# Altium PCB Dahlia Carrier Board.PcbDoc (part 4 of 10)
Units mm, origin at the board's own origin, x right, y up, seen from the top; angles counter-clockwise.
Board outline 120 x 120 mm, 6 copper layers (Top Layer, GND, Layer 1, Layer 2, GND2, Bottom Layer), stack 1.558 mm thick; 879 components, 677 nets, 3194 pads, 1445 vias.
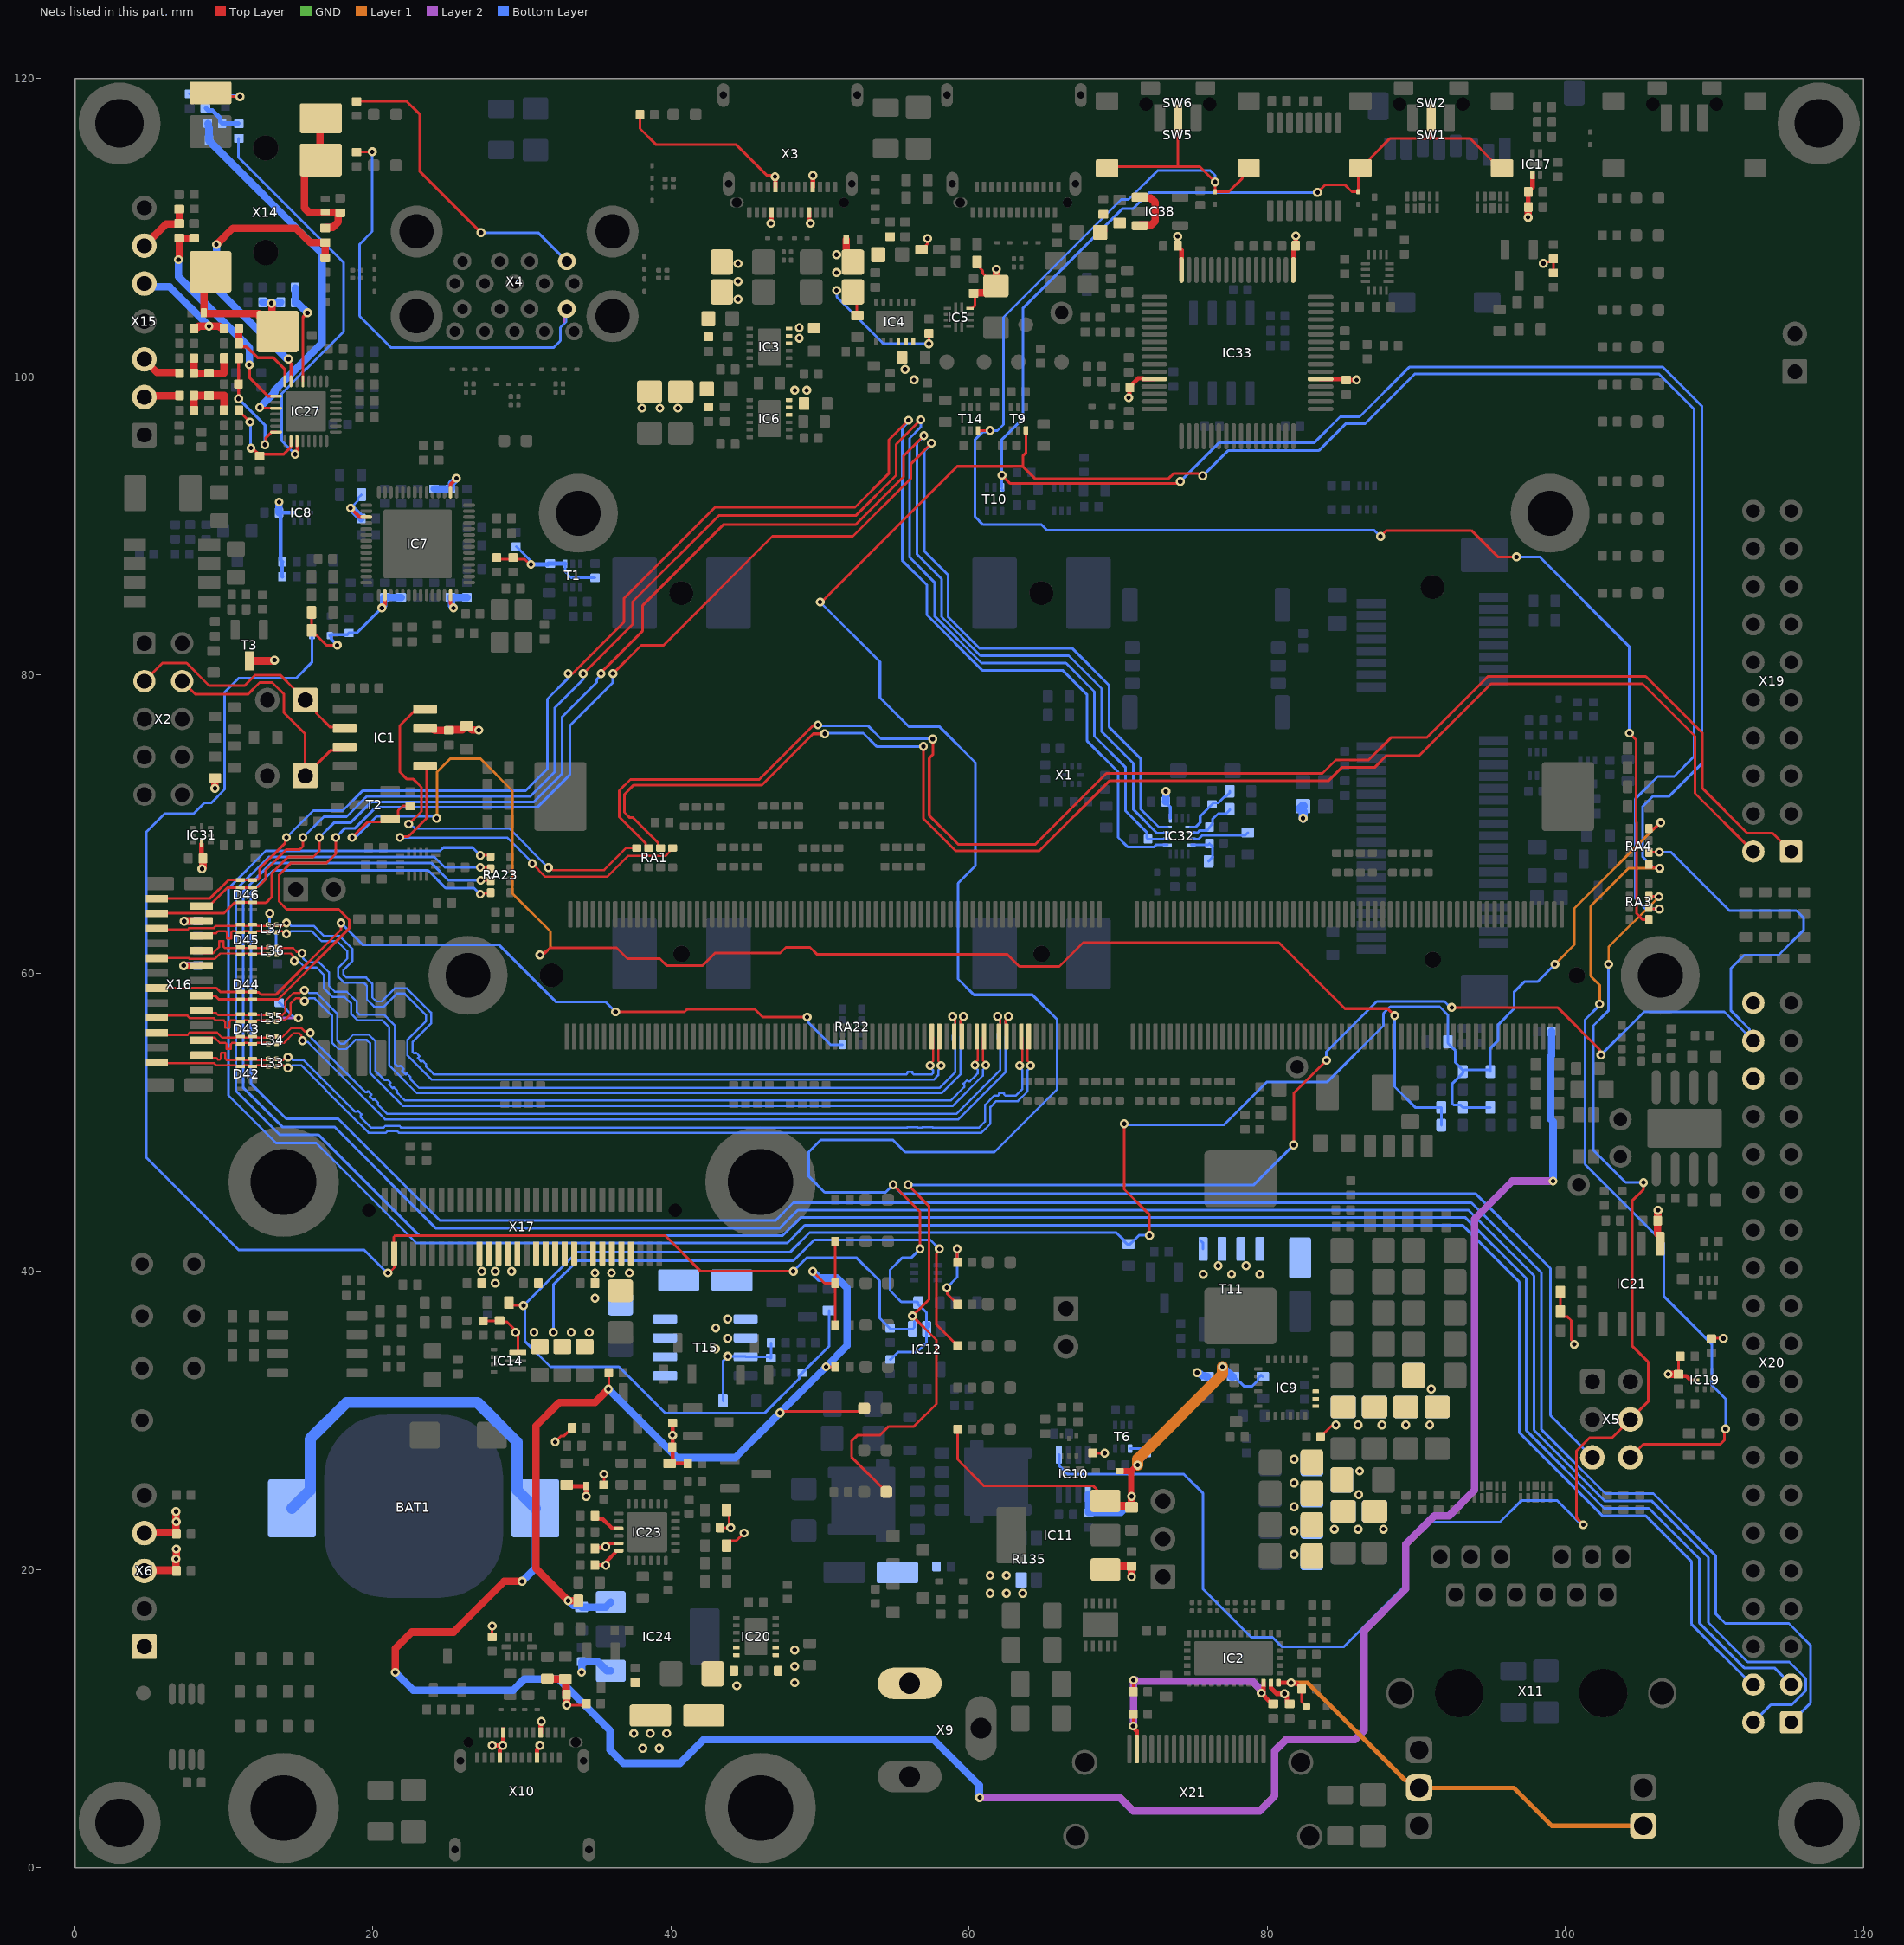
[diagram p8: the nets of this part, all layers, seen from the top]

## Via types
v1: diameter 0.6, hole 0.3, Top Layer to Bottom Layer, tented both sides, 1316 vias
v2: diameter 0.6/0/0/0/0/0.6 (per signal layer), hole 0.3, Top Layer to Bottom Layer, tented both sides, 70 vias
v3: diameter 0.6, hole 0.3, Top Layer to Bottom Layer, 58 vias
v4: diameter 0.6/0.6/0.6/0.6/0.6/0.6 (per signal layer), hole 0.3, Top Layer to Bottom Layer, tented both sides, 1 vias

## Nets (pads, with @x,y where several pads share a name; then routed paths per layer and width w, separated by ;. In a path a pad name is that pad's centre, name@x,y a point inside that pad or via, vN(x,y) a via of type N, cw(c..) or ccw(c..) an arc to the next point about the centre after c; other vN are vias at no path point) (continued)
+V3.3_SW: C9.2 C96.2 C97.2 C106.2 C116.2 C189.2 C191.2 C194.2 C226.2 C235.2 D22.A IC2.30 IC17.3 IC19.8 IC21.5 IC31.8 IC32.13 L3.2 L18.2 R66.2 R141.2 R142.2 R149.2 R153.2 R191.1 R192.1 R272.2 R273.2 R352.1 T11.5 T11.6 T11.7 T11.8 X6.4 X11.14 X11.16 X16.15 X17.31 X17.33 X17.35 X17.37 X17.39 X20.36 | length 67.7
  Top Layer w0.175: X16.15@8.5,60.5 X16.15@8.573,60.573 ; v1(58.5,38.9) 58.533,38.867 58.533,38.487 58.998,38.022 59.023,38.022 59.22,37.825 R191.1@59.22,37.8 ; v1(59.2,41.5) 59.2,40.62 R192.1@59.22,40.6 ; C9.2@82.31,12 82.31,11.13 82.487,10.953 82.487,10.913 82.6,10.8 D22.A@82.64,10.8 ; v1(98.525,107.613) 98.562,107.613 98.672,107.723 99.002,107.723 R66.2@99.2,107.92 R352.1@99.2,106.98 ; R149.2@99.675,38.6 R153.2@99.675,37.3 99.675,37.214 99.912,36.977 100.123,36.977 100.4,36.7 100.4,35.4 100.6,35.2 v1(100.6,35.1) ; C106.2@107.6,33.1 107.6,34.18 R141.2@107.72,34.3 ; R142.2@109.8,35.48 109.82,35.5 110.35,35.5 110.519,35.669 110.519,35.581 v1(110.6,35.5)
  Top Layer w0.25: C106.2@107.6,33.09 107.72,32.97 108.13,32.97 108.4,32.7 IC19.8@108.77,32.7
  Top Layer w0.3: IC31.8@8.5,68.675 8.495,68.67 8.495,67.795 C189.2@8.59,67.7 C189.2@8.592,67.698 ; IC2.30@80.775,12.4 v1(81.6,12.4) 81.657,12.343 82.007,12.343 82.31,12.04 C9.2@82.31,12 ; v1(97.5,110.7) v1@97.51,110.71 ; C96.2@97.51,111.4 C97.2@97.51,112.4 97.51,112.44 97.8,112.73 IC17.3@97.8,113.55
  Top Layer w0.5: X6.4@4.66,22.44 4.717,22.497 6.753,22.497 C226.2@6.77,22.48 ; C226.2@6.762,22.497 6.785,22.52 v1(6.785,23.883) ; v1@7.452,60.5 X16.15@8.5,60.5 ; v1(8.525,67) 8.595,67.07 8.595,67.695 C189.2@8.592,67.698 ; v1@97.51,110.71 C96.2@97.51,111.4 ; v1(106.215,44.099) 106.202,44.087 106.202,43.412 C116.2@106.19,43.4 106.19,42.515 106.355,42.35 IC21.5@106.355,41.85 ; v1(106.899,33.099) 106.903,33.094 107.596,33.094 C106.2@107.6,33.09
  Layer 2 w0.175: 13.7,56.9 13.8,57 v1(15,57)
  Layer 1 w0.3: v1(81.6,12.4) 82.7,12.4 89.238,5.862 89.761,5.862 90.277,5.346 96.554,5.346 99.094,2.806 X11.14@105.23,2.806 X11.14@105.314,2.806
  Bottom Layer w0.175: v1(13.075,64) 13.075,63 13.5,62.575 13.5,61.68 R273.2@13.6,61.58 ; R272.2@13.7,58.02 13.725,58.02 14.745,57 v1(15,57) ; v1(58.5,38.9) 59.2,39.6 v1(59.2,41.5) ; T11.5@75.482,42.1 75.695,41.888 T11.5@75.695,41.5
  Bottom Layer w0.2: C191.2@73.38,71.27 73.383,71.27 73.5,71.153 IC32.13@73.5,70.4
  Bottom Layer w0.5: v1(7.3,60.5) 7.317,60.517 8.243,60.517 C194.2@8.25,60.51 ; C191.2@73.19,71.5 73.2,71.51 v1(73.2,72.2)
  Bottom Layer w0.6: v1(82.4,70.4) 82.4,70.825 82.2,71.025 82.375,71.2 L3.2@82.4,71.2
  other v1: 6.8,23.2 28.2,39.2 75.7,39.8 77.6,39.8 79.5,39.8 27.3,40 28.2,40 29.3,40 76.7,40.375 78.575,40.375
+V3.3_USB: C27.2 C31.2 C39.2 C40.2 C41.2 C42.2 C43.2 C44.2 C45.2 D18.C IC7.16 IC7.31 IC7.44 IC7.55 IC8.8 R33.2 R37.2 R38.2 R39.2 R40.2 R41.2 R46.1 R49.1 R54.2 R62.2 T1.4 T3.3 | length 37.4
  Top Layer w0.175: R49.1@15.875,84.2 R46.1@15.875,83 15.875,82.9 16.112,82.663 16.212,82.663 16.875,82 v1(17.6,82) ; R39.2@28.3,87.78 30.164,87.78 30.524,87.42 v1(30.6,87.42)
  Top Layer w0.25: v1(18.5,91.2) 19.1,90.6 IC7.31@19.55,90.6 ; v1(20.6,84.5) 20.573,84.5 20.8,84.727 IC7.44@20.8,85.35 ; IC7.55@25.2,85.35 25.2,84.795 25.4,84.595 v1(25.4,84.5) ; IC7.16@25.2,92.25 25.2,92.778 25.5,93.078 v1@25.5,93.1
  Top Layer w0.5: T3.3@11.7,80.95 13.35,80.95 v1(13.4,81)
  Bottom Layer w0.175: C31.2@13.69,90.9 C31.2@13.695,90.905 ; v1(18.5,91.2) 18.987,91.688 18.987,91.863 R54.2@19.225,92.1 ; R62.2@29.6,88.62 29.625,88.62 30.518,87.727 30.518,87.501 v1(30.6,87.42) ; T1.4@32.9,87.465 32.9,86.925 33.305,86.52 R33.2@34.9,86.52
  Bottom Layer w0.2: v1(17.6,82) 17.2,82.4 17.2,82.54 D18.C@17.1,82.64 17.16,82.7 18.28,82.7 R37.2@18.4,82.82 18.92,82.82 19.9,83.8 v1(20.6,84.5)
  Bottom Layer w0.25: C31.2@13.69,90.9 IC8.8@14.625,90.9 ; v1@13.695,91.595 v1(13.7,91.6) ; C31.2@13.8,90.718 13.8,87.72 R40.2@13.92,87.6 13.902,87.582 13.902,86.618 R41.2@13.92,86.6
  Bottom Layer w0.3: v1(30.6,87.42) 31.72,87.42 31.79,87.49 C27.2@31.9,87.49 31.912,87.478 32.9,87.478 T1.4@32.9,87.465
  Bottom Layer w0.5: C31.2@13.695,90.905 v1@13.695,91.595 ; v1(18.5,91.2) 18.519,91.181 18.569,91.181 19.21,90.54 C40.2@19.21,90.5 ; v1(20.6,84.5) 20.6,84.527 20.72,84.647 20.72,85.17 20.76,85.21 C43.2@20.8,85.21 C41.2@21.9,85.21 ; C45.2@24.1,92.49 C39.2@25.2,92.49 25.24,92.49 25.28,92.53 25.28,92.853 25.6,93.173 v1(25.6,93.2) ; C44.2@25.2,85.21 C44.2@25.24,85.21 ; v1(25.4,84.5) 25.4,84.527 25.28,84.647 25.28,85.17 C44.2@25.24,85.21 ; C42.2@26.3,85.21 C44.2@25.24,85.21
+V5_DBG: C222.2 C223.2 IC38.1 IC38.3 L43.1 | length 3.7
  Top Layer w0.5: IC38.3@71.45,110.15 71.5,110.2 72.232,110.2 72.475,110.443 72.475,111.707 72.182,112 71.5,112 IC38.1@71.45,112.05
  Top Layer w0.75: L43.1@68.8,109.725 L43.1@68.9,109.825
+V5_HDMI_1_DISP: C151.2 IC2.28 R11.2 R12.2 X21.18 | length 17.3
  Top Layer w0.175: v1(71,9.5) 71,10.28 R11.2@71.02,10.3 ; R12.2@71.02,11.8 v1(71.02,12.58)
  Top Layer w0.3: v1(71,9.5) 71.057,9.443 71.057,9.343 71.255,9.145 71.255,8.897 71.252,8.894 71.252,8.083 71.25,8.081 X21.18@71.25,7.956 ; v1(79.6,11.7) 80.17,11.13 80.26,11.13 C151.2@80.4,10.99 ; v1@79.75,11.569 IC2.28@79.75,12.4
  Layer 2 w0.5: v1(71,9.5) 71.019,9.519 71.019,10.306 ; 71.02,10.307 v1(71.02,12.58) 71.156,12.58 71.236,12.5 79,12.5 79.581,11.919 79.581,11.719 v1(79.6,11.7)
+V5_PD: C111.2 C112.2 C132.2 IC24.3 LED10.A R77.1 R81.1 R152.2 R154.2 R156.2 R166.2 R171.2 R173.1 R182.1 | length 70
  Top Layer w0.175: R156.2@28,15.48 v1(28,16.2) ; C112.2@32.99,11.6 C112.2@33,11.59 ; v1@33.093,10.9 34.22,10.9 R152.2@34.32,11 ; v1@35.82,32 R166.2@35.82,33.2 ; v1(47.3,30.5) 47.415,30.5 47.515,30.6 52.75,30.6 LED10.A@52.95,30.8 ; v1(49.5,40) 50.3,39.2 R77.1@51.02,39.2 ; v1(50.4,33.6) R182.1@51.02,33.6 ; R173.1@51.02,36.4 R77.1@51.02,39.2 ; R81.1@51.02,42 R77.1@51.02,39.2
  Top Layer w0.5: R154.2@31.7,12.675 31.725,12.65 32.875,12.65 C111.2@32.9,12.625 32.95,12.575 32.95,11.64 C112.2@32.99,11.6 ; v1(33,10.9) C112.2@33,11.59 ; R171.2@33.775,17.9 v1(33.1,17.9) 30.925,20.075 30.925,29.625 32.5,31.2 34.9,31.2 v1(35.8,32.1)
  Bottom Layer w0.5: v1(33.1,17.9) 33.118,17.9 33.443,17.575 33.9,17.575 C132.2@34,17.475 35.625,17.475 IC24.3@35.95,17.8 ; v1(35.8,32.1) 40.4,27.5 44.3,27.5 46.7,29.9 v1(47.3,30.5) v1(50.4,33.6) 51.8,35 51.8,38.893 51.143,39.55 49.95,39.55 v1(49.5,40)
+V5_STB: C62.2 C66.2 D20.A IC10.1 IC11.3 R68.1 R78.1 R83.1 R97.2 T6.4 | length 39.1
  Top Layer w0.175: R97.2@59.22,29.4 59.22,27.38 61,25.6 68.334,25.6 68.637,25.296 69.334,24.6 IC11.3@69.15,24.6
  Top Layer w0.4: D20.A@70.1,26.6 70.875,26.6 ; v1@70.875,24.9 70.875,26.6 ; v1(71.3,27) 71.275,27 70.875,26.6
  Top Layer w0.5: IC11.3@69.15,24.6 69.475,24.275 70.8,24.275 C66.2@70.9,24.175 v1(70.9,24.9)
  Layer 1 w0.75: v1(71.3,27) 71.3,27.4 77,33.1 v1(77,33.6)
  Bottom Layer w0.175: T6.4@70.8,28.11 71.585,28.11 71.875,27.82 R78.1@71.9,27.82 71.9,27.6 v1(71.3,27) ; R68.1@77.7,32.925 77.8,32.925 78.425,32.3 79,32.3 79.362,32.663 79.362,32.807 79.59,33.035 R83.1@79.7,32.925
  Bottom Layer w0.4: IC10.1@67.975,25.09 67.975,23.815 C62.2@68,23.79 70.19,23.79 70.891,24.491 70.891,24.891 v1(70.9,24.9)
  Bottom Layer w0.5: v1(77,33.6) 77,33.625 77.525,33.1 77.525,33 77.6,32.925 R68.1@77.7,32.925
+V5_SW: C1.2 C4.2 C10.2 C13.2 C16.2 C17.2 C23.2 C57.1 C58.2 C83.2 C84.2 C85.2 C193.2 C225.2 C236.2 IC1.3 IC2.29 IC3.10 IC3.11 IC3.12 IC4.10 IC4.11 IC4.12 IC5.12 IC6.10 IC6.11 IC6.12 IC14.3 R18.2 R19.2 R60.2 R90.2 R186.2 X6.3 X16.21 X17.19 X17.21 X17.23 X17.25 X17.27 X20.40 | length 61.7
  Top Layer w0.175: R90.2@27.4,36.68 28.49,36.68 C57.1@28.5,36.69 28.58,36.61 28.99,36.61 29.72,35.88 IC14.3@29.72,34.55 ; v1(29.562,35.9) 29.575,35.9 v1@29.637,35.963 ; R19.2@56.8,108.525 57.206,108.931 v1(57.206,109.282) ; v1(58,41.5) 58,41.385 57.8,41.185 57.8,36.42 R186.2@59.22,35 ; IC5.12@60.05,104.6 60.062,104.613 60.212,104.613 60.4,104.8 60.4,105.51 C16.2@60.3,105.61 ; R18.2@60.525,107.7 60.425,107.6 60.91,107.115 60.91,106.955 61.768,106.097 C17.2@61.8,106.097
  Top Layer w0.3: IC2.29@80.25,12.4 80.25,12.05 80.543,11.757 80.643,11.657 v1(81.162,11.657) 81.32,11.499 81.32,11.13 81.46,10.99 C10.2@81.5,10.99
  Top Layer w0.5: X6.3@4.66,19.9 4.712,19.952 6.787,19.952 v1(6.787,20.704) 6.8,20.717 v1(6.8,21.375) ; C225.2@6.77,19.86 C225.2@6.81,19.9 ; v1(7.325,63.485) 7.34,63.5 X16.21@8.5,63.5 ; v1(9.4,72.4) R60.2@9.4,73.075 ; IC1.3@23.5,76.435 24,76.435 24.145,76.29 C1.2@25.1,76.29 25.1,76.305 25.125,76.33 25.98,76.33 26.225,76.575 26.375,76.575 26.631,76.319 27.081,76.319 v1(27.1,76.3) ; C16.2@60.3,105.61 60.34,105.65 61.353,105.65 C17.2@61.8,106.097 61.825,106.122 v1(61.825,107.225)
  Bottom Layer w0.175: v1(32.1,35.9) 32.1,39.1 33.7,40.7 48.2,40.7 49.6,42.1 57.4,42.1 v1(58,41.5)
  Bottom Layer w0.5: v1(7.325,63.485) 7.327,63.488 8.248,63.488 C193.2@8.25,63.49
  other v1: 30.8,35.9 33.3,35.9 34.5,35.9 48.301,99.101 49.1,99.1 56.3,99.8 55.7,100.5 48.6,102.6 48.6,103.3
+V5_VBUS_USB_1: C12.2 C14.2 C237.2 D1.2 L1.2 R13.2 R20.2 R24.1 X3.A4 X3.A9 X3.B4 X3.B9 | length 26.5
  Top Layer w0.175: R24.1@37.92,117.6 37.92,116.655 39,115.575 44.369,115.575 46.431,113.513 46.896,113.513 v1(46.977,113.431) ; C237.2@52.197,105.7 52.462,105.435 52.462,104.163 R13.2@52.5,104.125 ; v1(57.3,102.225) R20.2@57.3,102.92
  Top Layer w0.3: v1(46.7,110.3) 46.75,110.35 X3.A9@46.75,111.04 ; v1(46.977,113.431) 47.01,113.399 X3.B4@47.01,112.74 ; X3.A4@49.26,111.04 49.26,110.39 v1(49.35,110.3) ; X3.B9@49.51,112.74 v1(49.51,113.51)
  Top Layer w0.5: D1.2@51.75,109.2 51.75,108.144 C14.2@52.194,107.7
  Layer 1 w0.175: v1(57.3,102.225) v1@57.381,102.144
  Bottom Layer w0.175: v1(51.106,105.798) 51.122,105.782 51.122,105.353 54.25,102.225 v1(57.3,102.225)
  other v1: 51.106,106.998 51.106,108.198
+V5_VBUS_USBH2: C25.2 C26.2 C239.2 L13.2 R28.1 X4.L1 | length 20.8
  Top Layer w0.175: R28.1@18.9,118.48 22.27,118.48 23.125,117.625 23.125,113.8 v1(27.25,109.675)
  Bottom Layer w0.175: v1(27.25,109.675) 31.081,109.675 X4.L1@33,107.756
  other v1: 44.494,105.202 44.494,106.402 44.494,107.602
+V5_VBUS_USBH3: C20.2 C21.2 C238.2 L4.2 R27.1 X4.U1 | length 30.2
  Top Layer w0.175: R27.1@18.9,115.08 19.93,115.08 v1(19.95,115.1)
  Layer 2 w0.2: 32.823,103.723 32.823,104.365 X4.U1@33.014,104.556
  Bottom Layer w0.175: v1(19.95,115.1) 19.95,109.75 19.1,108.9 19.1,104.075 21.2,101.975 32.125,101.975 32.575,102.425 32.575,103.315 32.953,103.694 32.953,104.509 X4.U1@33,104.556
  other v1: 38.052,97.906 39.252,97.906 40.452,97.906
+V_BAT: BAT1.1 R179.2 | length 173.8
  Top Layer w0.5: v1(21.5,13.1) 21.5,14.7 22.6,15.8 25.4,15.8 28.8,19.2 v1(30,19.2)
  Layer 2 w0.5: v1(60.7,4.7) 70.1,4.7 71,3.8 79.5,3.8 80.5,4.8 80.5,7.825 81.275,8.6 85.9,8.6 86.5,9.2 86.5,15.9 89.3,18.7 89.3,21.7 91.2,23.6 92.2,23.6 93.9,25.3 93.9,43.5 96.45,46.05 v1(99.175,46.05)
  Bottom Layer w0.5: v1(21.5,13.1) 22.7,11.9 29.407,11.9 30.15,12.642 32.458,12.642 35.9,9.2 35.9,7.9 36.8,7 40.6,7 42.2,8.6 57.6,8.6 60.681,5.519 60.681,4.719 v1(60.7,4.7) ; v1(30,19.2) 30.9,20.1 BAT1.1@30.9,24.1 ; R179.2@99.08,56.1 99.08,54.465 99,54.385 99,50.225 99.175,50.05 v1(99.175,46.05)
  Bottom Layer w0.75: BAT1.1@14.56,24.1 15.785,25.325 15.785,28.758 18.227,31.2 27.015,31.2 29.675,28.54 29.675,25.325 BAT1.1@30.9,24.1
+V_BUS_PD: C110.2 C114.2 C126.2 C131.2 D24.A IC20.11 IC20.12 IC23.24 IC24.1 L48.2 R44.2 R175.2 | length 8.7
  Top Layer w0.175: v1(32.222,28.549) 32.635,28.962 32.827,28.962 33.34,29.475 R175.2@33.34,29.5
  Top Layer w0.25: C126.2@34.89,20.3 34.897,20.293 35.616,20.293 v1(35.624,20.286) 35.691,20.353 35.691,20.562 36.325,21.196 36.325,21.25 IC23.24@36.5,21.25
  Top Layer w0.3: R44.2@33,25.675 33.046,25.675 33.146,25.575 34.157,25.575 34.182,25.6 D24.A@34.3,25.6 ; v1(34.3,24.9) D24.A@34.3,25.6
  Bottom Layer w0.5: v1(34,13.1) C131.2@34,13.81 35.09,13.81 35.7,13.2 IC24.1@35.95,13.2
  other v1: 44.4,12.2
+V_PWR_IN_1: C105.2 L20.1 X9.1
+V_PWR_IN_2: C115.2 L48.1 X10.A4 X10.A9 X10.B4 X10.B9 | length 4.5
  Top Layer w0.3: v1(28,8.2) v1@28.681,8.2 ; X10.B9@28.5,7.366 28.5,7.919 28.7,8.119 v1(28.7,8.2) v1@28.681,8.2 ; X10.A4@28.75,9.266 X10.A4@28.75,9.066 28.75,8.431 28.6,8.281 v1@28.681,8.2 ; X10.B4@31,7.366 31,7.919 31.2,8.119 v1(31.2,8.2) ; X10.A9@31.25,9.066 31.25,9.75 v1(31.3,9.8)
  other v1: 38.1,8 39.2,8 37.5,9 38.6,9 39.7,9
+V_REG_FTDI_OUT: C201.2 C202.2 C203.2 C209.2 IC33.12 IC33.37 IC33.49 IC33.64 | length 9.9
  Top Layer w0.3: v1(70.7,98.6) 70.745,98.645 70.745,99.255 C201.2@70.79,99.3 ; C201.2@70.79,99.26 70.79,99.34 71.35,99.9 71.65,99.9 71.7,99.85 IC33.12@72.425,99.85 ; v1(73.99,109.423) C203.2@73.99,108.8 73.99,108.76 74.25,108.5 IC33.64@74.25,107.175 ; IC33.49@81.75,107.175 81.75,108.6 81.91,108.76 C209.2@81.91,108.8 81.911,108.801 v1(81.913,109.464) v1(81.913,109.464) ; IC33.37@83.575,99.85 85.24,99.85 C202.2@85.332,99.757 ; C202.2@85.3,99.79 85.305,99.795 85.995,99.795 v1(86,99.8)
  GND w0.3: v1(73.99,109.423) v1@73.99,109.435
+V_SUPPLY_FILT: C65.2 C71.2 C72.2 C94.2 C101.2 C102.2 C103.2 C113.1 C240.2 C247.2 C248.2 C249.2 C250.2 C251.2 C252.2 C253.2 C254.2 C255.2 C256.2 C257.2 C258.2 C259.2 C260.2 C261.2 C262.2 C263.2 C264.2 D27.1 IC9.7 IC9.8 IC9.9 IC11.1 IC20.1 IC20.2 L19.1 R69.2 R70.2 R82.2 R121.2 R135.4 R183.2 T15.1 T15.2 T15.3 | length 14
  Top Layer w0.175: R183.2@43.725,21.6 43.725,21.7 43.962,21.937 44.387,21.937 v1(44.9,22.45) ; R82.2@68.3,27.82 68.32,27.8 v1(69.1,27.8) ; R70.2@83.58,28.9 83.58,28.925 83.777,29.122 83.802,29.122 84.298,29.618 84.518,29.618 v1(84.6,29.7)
  Top Layer w0.5: IC11.1@69.15,20 69.36,20.21 C65.2@70.7,20.21 ; v1(70.9,19.5) 70.9,20.17 70.94,20.21 C65.2@70.9,20.21
  Bottom Layer w0.175: D27.1@43.485,31.3 43.5,31.315 43.5,34 v1(43.8,34.3) ; v1@43.835,34.3 44.965,34.3 T15.3@45,34.265 46.589,34.265 46.664,34.19 C94.2@46.7,34.19 ; C94.2@46.72,34.19 R121.2@46.72,35.2
  Bottom Layer w0.5: v1(75.3,33.2) 75.319,33.181 75.419,33.181 75.5,33.1 75.532,33.1 75.632,33 75.825,33 75.9,32.925 R69.2@76,32.925
  other v1: 48.3,12.4 48.3,13.5 48.3,14.6 61.4,18.4 62.5,18.4 63.6,18.4 61.4,19.6 62.5,19.6 81.8,21 81.8,22.6 84.5,22.7 86.1,22.7 87.8,22.7 81.8,24.2 86.14,25.017 81.8,25.8 86.2,26.6 81.8,27.4 86.1,29.7 87.7,29.7 89.3,29.7 90.9,29.7 91,32.1 43,34.8 43.8,35.5 43,36.2 43.8,36.8
+V_SUPPLY_FILT_SW: C93.2 C232.2 C233.2 L19.2 T15.5 T15.6 T15.7 T15.8 X6.1 X17.7 X17.9 X17.11 X17.13 X17.15
  other v1: 34.9,38.2 34.9,39.9 36,39.9 37.2,39.9
+VREG_1V2: C125.1 IC23.21 | length 2
  Top Layer w0.25: C125.1@34.89,23.6 34.89,23.56 35.055,23.395 35.405,23.395 36.05,22.75 IC23.21@36.5,22.75
+VREG_2V7: C61.1 IC23.23 R108.2 R184.2 R187.1 R188.1 R189.1 R194.2 R195.2 | length 8.4
  Top Layer w0.175: R187.1@35.5,25.68 v1(35.5,26.4) ; R189.1@43.28,22.8 v1(44,22.8) ; R195.2@43.725,24 43.9,23.825 v1@43.9,23.015
  Top Layer w0.25: v1(35.608,21.53) 35.696,21.53 35.916,21.75 IC23.23@36.5,21.75 ; R188.1@40.08,28.2 R188.1@40.1,28.2 ; v1(40.1,29) v1@40.1,29.13 ; R108.2@40.1,29.82 40.1,29.1 R188.1@40.1,28.2 ; R184.2@41.12,27.1 41.095,27.125 R194.2@39.9,27.125 40.1,27.325 R188.1@40.1,28.2
  Top Layer w0.3: C61.1@34.89,21.4 34.94,21.45 35.55,21.45 v1@35.6,21.5
AAP_HP_CON_L: C156.2 D41.2 L23.2 X14.2 X14.5 | length 11
  Top Layer w0.5: X14.2@9.05,106.45 8.67,106.07 8.67,104.25 12.35,104.25 12.471,104.129 13.156,104.129 13.227,104.2 v1@13.227,104.885 ; X14.5@12.371,104.029 12.4,104.029 X14.5@13.75,102.679
  Bottom Layer w0.5: C156.2@12.59,105 13.145,105 13.097,104.952 13.108,104.941 v1(13.185,104.941) 13.204,104.961 13.771,104.961 L23.2@13.81,105
AAP_HP_CON_R: C155.2 D40.2 L24.2 X14.3 X14.6 | length 10.9
  Top Layer w0.5: X14.3@16.5,114.55 X14.3@16.45,114.55 ; X14.6@16.5,117.35 16.45,117.3 16.45,116.75 X14.3@16.45,114.55 ; L24.2@16.8,109.99 16.84,110.03 17.305,110.03 17.67,110.395 17.67,110.96 17.71,111 C155.2@17.75,111 ; D40.2@16.8,111.05 D40.2@16.8,111.04 ; C155.2@17.8,111.01 17.76,111.01 C155.2@17.75,111 ; X14.3@16.45,114.55 16.25,114.55 15.4,113.7 15.4,111.333 15.693,111.04 D40.2@16.8,111.04 ; D40.2@16.8,111.04 17.71,111.04 C155.2@17.75,111
AAP_HP_L: C154.2 IC27.13 L23.1 | length 6.8
  Top Layer w0.2: IC27.13@15.3,99.75 15.3,104 v1(15.6,104.3)
  Bottom Layer w0.5: L23.1@14.79,105 L23.1@14.79,104.96 ; C154.2@14.79,105.96 L23.1@14.79,104.96 ; v1(15.6,104.3) 14.98,104.92 14.83,104.92 L23.1@14.79,104.96
AAP_HP_R: C153.2 IC27.15 L24.1 | length 20.4
  Top Layer w0.2: v1(14.325,101.2) 14.325,101.092 14.5,100.917 IC27.15@14.5,99.75
  Top Layer w0.5: v1(9.5,108.877) 10.6,109.977 14.823,109.977 15.79,109.01 L24.1@16.8,109.01 C153.2@16.8,107.99
  Bottom Layer w0.5: v1(9.5,108.877) 9.5,105.924 14.205,101.219 14.306,101.219 v1(14.325,101.2)
AAP_LIN_C_L: C162.2 IC27.26 R251.2 | length 6.5
  Top Layer w0.175: C162.2@11,97.75 11,97.71 11.735,96.975 v1(11.75,96.975)
  Top Layer w0.2: v1(11.819,95.228) 11.917,95.228 R251.2@12.433,94.713 ; R251.2@12.4,94.68 12.523,94.803 13.998,94.803 14.5,95.305 IC27.26@14.5,95.7
  Bottom Layer w0.2: v1(11.75,96.975) 11.785,96.94 11.785,95.263 v1(11.819,95.228)
AAP_LIN_C_R: C165.2 IC27.24 R254.2 | length 7.9
  Top Layer w0.2: R254.2@10.975,99.525 10.983,99.533 10.983,100.243 10.99,100.25 C165.2@10.99,101.25 ; v1(10.979,98.533) 10.978,98.535 10.978,99.523 R254.2@10.98,99.525 ; v1(12.748,95.454) 12.825,95.531 12.825,95.925 13.2,96.3 IC27.24@13.5,96.3
  Bottom Layer w0.2: v1(10.979,98.533) 12.748,96.764 v1(12.748,95.454)
AAP_LIN_CON_L: R250.1 X15.2 | length 2.4
  Top Layer w0.5: X15.2@4.66,98.64 4.745,98.725 6.995,98.725 R250.1@7.02,98.75
AAP_LIN_CON_R: R253.1 X15.3 | length 2.8
  Top Layer w0.5: X15.3@4.66,101.18 4.66,101.14 5.49,100.31 6.985,100.31 7.02,100.275 R253.1@7.02,100.25
AAP_LIN_L: C161.2 C162.1 R250.2 R252.2 | length 4
  Top Layer w0.5: R252.2@7.98,97.75 R250.2@7.98,98.75 7.985,98.745 8.995,98.745 C161.2@9,98.74 9.005,98.745 10.005,98.745 10.01,98.75 10.015,98.745 10.015,97.755 C162.1@10.02,97.75
AAP_LIN_R: C164.2 C165.1 R253.2 R255.2 | length 4
  Top Layer w0.5: R255.2@7.98,101.25 R253.2@7.98,100.25 10.01,100.25 C165.1@10.01,101.25
AAP_LOUT_CON_L: C169.2 L26.2 X15.5 | length 7.7
  Top Layer w0.5: C169.2@7.99,103.25 7.99,103.29 8.03,103.33 8.253,103.33 8.323,103.4 v1@8.973,103.4 ; v1(9,103.4) 9.677,103.4 9.747,103.33 9.97,103.33 10.01,103.29 L26.2@10.01,103.25
  Bottom Layer w0.5: X15.5@4.66,106.26 4.88,106.04 6.36,106.04 v1(9,103.4)
AAP_LOUT_CON_R: C168.2 L27.2 X15.6 | length 3.9
  Top Layer w0.5: X15.6@4.66,108.8 6.11,110.25 6.96,110.25 L27.2@7,110.29 C168.2@7,111.25
AAP_LOUT_L: C167.2 IC27.16 L26.1 | length 5.6
  Top Layer w0.2: C167.2@10.99,102.25 10.99,102.21 11.18,102.02 11.525,102.02 12.258,101.287 13.313,101.287 14.1,100.5 IC27.16@14.1,99.75
  Top Layer w0.5: C167.2@10.99,102.25 L26.1@10.99,103.25
AAP_LOUT_R: C166.2 IC27.18 L27.1 | length 14.7
  Top Layer w0.2: v1(11.707,100.806) 11.707,99.96 12.967,98.7 IC27.18@13.5,98.7
  Top Layer w0.5: v1(6.95,107.865) 6.95,107.892 7,107.942 7,109.27 L27.1@7,109.31 ; L27.1@7,109.29 7.02,109.31 C166.2@8,109.31
  Bottom Layer w0.5: v1(6.95,107.865) 6.95,106.714 11.707,101.957 v1(11.707,100.806)
AAP_MICBIAS: C157.2 IC27.20 R249.2 | length 25
  Top Layer w0.175: v1(12.4,97.95) 12.445,97.905 13.495,97.905 IC27.20@13.5,97.9
  Bottom Layer w0.5: R249.2@8.92,117 8.955,116.965 8.955,116.757 9,116.712 9,115.91 C157.2@8.99,115.9 ; C157.2@8.99,115.86 16.577,108.273 16.577,102.28 13.41,99.113 13.41,98.961 v1(12.4,97.95)
AAP_MICIN_C_L: C158.1 IC27.27 | length 27.2
  Top Layer w0.2: v1(14.779,94.808) 14.779,94.916 14.9,95.037 IC27.27@14.9,95.7
  Bottom Layer w0.175: C158.1@11,116 10.96,116 10.96,114.74 18.04,107.66 18.04,103.05 15.557,100.568 15.522,100.568 14.981,100.027 14.981,99.991 13.875,98.885 13.875,95.712 v1(14.779,94.808)
AAP_MICIN_CON_L: C159.2 D39.2 L25.2 X14.1 | length 5.6
  Top Layer w0.175: X14.1@9.05,118.65 9.075,118.625 9.25,118.8 v1(11.075,118.8)
  Bottom Layer w0.175: C159.2@7.7,118.99 7.705,118.995 8.745,118.995 L25.2@8.75,119.001 ; L25.2@8.751,119 10.05,119 10.175,118.875 11,118.875 v1(11.075,118.8)